# Altium PCB pcb地图1.00.pcbdoc (part 1 of 2) (continued)
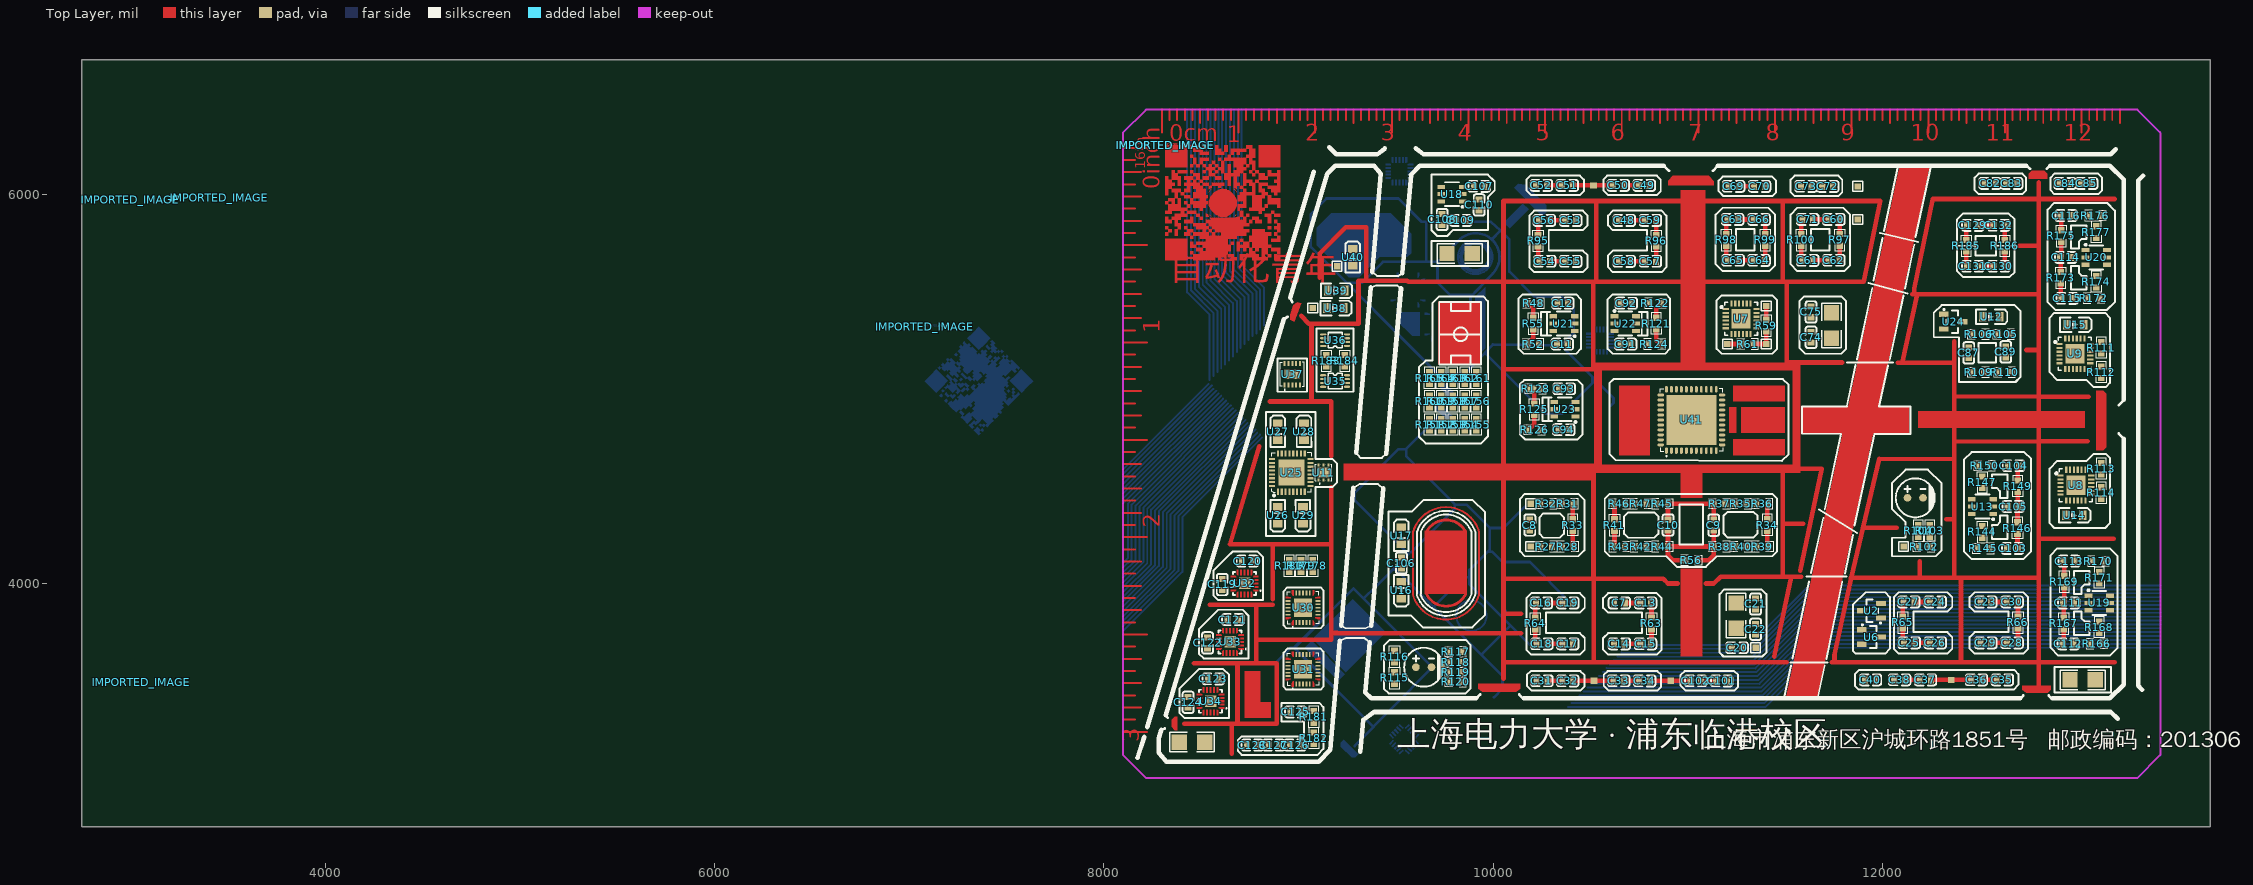
[diagram p0: Top Layer view]
## Footprints (in the part's own frame and the unit in brackets; to place one, negate y for a bottom-side part, rotate by r counter-clockwise, add the part's x,y. Pads: shape width x height; smd on the part's side, far side on the other; paste and mask are expansions set on the pad) (continued)
  Top Layer region: 168.28,344.87 164.12,340.71 159.97,336.56 164.12,332.4 168.28,328.25 164.64,324.61 161.01,320.98 152.7,329.29 144.39,337.6 131.46,324.67 118.54,311.75 113.8,315.84 109.07,319.94 104.85,316.37 100.63,312.79 109.53,303.9 118.42,295.01 122.05,298.64 125.69,302.28 129.84,298.12 134,293.97 130.36,290.34 126.73,286.7 130.85,282.57 134.97,278.45 122.54,265.44 110.11,252.42 113.68,248.2 117.25,243.98 130.3,257.03 143.35,270.08 139.71,273.71 136.08,277.35 144.39,285.66 152.7,293.97 156.33,290.34 159.97,286.7 164.12,290.85 168.28,295.01 164.64,298.64 161.01,302.28 173.47,314.74 185.94,327.21 194.25,318.9 202.56,310.59 206.71,314.74 210.87,318.9 214.5,315.26 218.14,311.63 210.35,303.84 202.56,296.05 194.25,304.36 185.94,312.67 177.11,303.84 168.28,295.01 172.95,290.34 177.63,285.66 181.78,289.81 185.94,293.97 190.09,289.81 194.25,285.66 198.4,289.81 202.56,293.97 206.71,289.82 210.87,285.66 219.7,294.49 228.53,303.32 224.37,307.47 220.22,311.63 224.37,315.78 228.53,319.94 223.85,324.61 219.18,329.29 215.07,325.18 210.96,321.06 202.6,328.81 194.25,336.56 189.51,332.46 184.78,328.37 176.53,336.62 hole: 72276462.08,-50110272.01 72318012.08,-50068722.01 72318012.08,-50068722.01 72354372.08,-50105082.01 72354372.08,-50105082.01 72390732.08,-50141432.01 72390732.08,-50141432.01 72349182.08,-50182982.01 72349182.08,-50182982.01 72307632.08,-50224532.01 72307632.08,-50224532.01 72271272.08,-50188182.01 72271272.08,-50188182.01 72234912.08,-50151822.01 72234912.08,-50151822.01 72276462.08,-50110272.01
  Top Layer region: 527.17,307.99 497.57,337.6 467.44,307.47 437.32,277.35 466.92,247.74 496.53,218.14 526.65,248.26 556.78,278.39 hole: 75766702.08,-49985622.01 75974462.08,-50193372.01 75974462.08,-50193372.01 76182202.08,-50401122.01 76182202.08,-50401122.01 75974462.08,-50608872.01 75974462.08,-50608872.01 75766702.08,-50816622.01 75766702.08,-50816622.01 75558952.08,-50608882.01 75558952.08,-50608882.01 75351202.08,-50401122.01 75351202.08,-50401122.01 75558952.08,-50193372.01 75558952.08,-50193372.01 75766702.08,-49985622.01
  Top Layer region: 431.09,337.6 426.41,332.92 421.74,328.25 425.89,324.09 430.05,319.94 434.72,324.61 439.4,329.29 435.24,333.44
  Top Layer region: 59.21,337.6 29.6,307.99 0,278.39 30.12,248.26 60.25,218.14 89.85,247.74 119.46,277.35 89.33,307.47 hole: 71383132.08,-49985622.01 71590882.08,-50193372.01 71590882.08,-50193372.01 71798642.08,-50401122.01 71798642.08,-50401122.01 71590882.08,-50608882.01 71590882.08,-50608882.01 71383132.08,-50816622.01 71383132.08,-50816622.01 71175382.08,-50608872.01 71175382.08,-50608872.01 70967632.08,-50401122.01 70967632.08,-50401122.01 71175382.08,-50193372.01 71175382.08,-50193372.01 71383132.08,-49985622.01
  Top Layer region: 93.49,336.56 89.33,332.4 85.18,328.25 89.33,324.09 93.49,319.94 97.64,324.09 101.8,328.25 97.64,332.4
  Top Layer region: 496.53,303.32 484.06,290.85 471.6,278.39 484.58,265.4 497.57,252.42 510.03,264.88 522.5,277.35 509.51,290.34
  Top Layer region: 72.71,290.85 60.25,303.32 47.26,290.34 34.28,277.35 46.74,264.88 59.21,252.42 72.19,265.4 85.18,278.39
  Top Layer region: 159.97,286.7 151.66,278.39 143.35,270.08 148.02,265.4 152.7,260.73 161.01,269.04 169.32,277.35 164.64,282.02
  Top Layer region: 184.9,278.39 180.74,274.23 176.59,270.08 181.26,265.4 185.94,260.73 190.09,264.88 194.25,269.04 189.57,273.71
  Top Layer region: 253.46,209.83 249.3,205.67 245.15,201.52 249.3,197.37 253.46,193.21 257.61,197.37 261.77,201.52 257.61,205.67
  Top Layer region: 425.89,155.81 421.74,159.97 417.58,155.81 413.43,151.66 417.58,147.51 421.74,143.35 425.89,147.51 430.05,151.66
  Top Layer region: 161.01,151.66 156.27,147.56 151.54,143.47 156.33,138.68 161.13,133.88 165.22,138.62 169.32,143.35 165.16,147.51
  Top Layer region: 362.53,136.08 358.37,131.92 354.22,127.77 350.58,131.4 346.95,135.04 342.27,130.36 337.6,125.69 341.23,122.05 344.87,118.42 340.71,114.26 336.56,110.11 332.92,113.74 329.29,117.38 320.98,109.07 312.67,100.76 316.82,96.6 320.98,92.45 329.29,100.76 337.6,109.07 341.17,105.49 344.75,101.92 340.65,97.18 336.56,92.45 340.65,87.72 344.75,82.98 341.17,79.41 337.6,75.83 341.75,71.67 345.91,67.52 354.22,75.83 362.53,84.14 358.37,88.3 354.22,92.45 363.05,101.28 371.88,110.11 367.72,114.26 363.57,118.42 367.2,122.05 370.84,125.69 374.99,121.54 379.15,117.38 383.3,121.54 387.46,125.69 382.78,130.36 378.11,135.04 374.47,131.4 370.84,127.77 366.68,131.92 hole: 74291662.08,-51959272.01 74333212.08,-51917722.01 74333212.08,-51917722.01 74369562.08,-51954072.01 74369562.08,-51954072.01 74405922.08,-51990432.01 74405922.08,-51990432.01 74364372.08,-52031982.01 74364372.08,-52031982.01 74322822.08,-52073532.01 74322822.08,-52073532.01 74286472.08,-52037172.01 74286472.08,-52037172.01 74250112.08,-52000822.01 74250112.08,-52000822.01 74291662.08,-51959272.01
  Top Layer region: 396.81,135.04 392.13,130.36 387.46,125.69 391.61,121.54 395.77,117.38 400.44,122.05 405.12,126.73 400.96,130.88
  Top Layer region: 278.39,118.42 248.78,88.81 219.18,59.21 248.78,29.6 278.39,0 307.99,29.6 337.6,59.21 307.99,88.81 hole: 73574922.08,-52177402.01 73782672.08,-52385162.01 73782672.08,-52385162.01 73990422.08,-52592902.01 73990422.08,-52592902.01 73782672.08,-52800662.01 73782672.08,-52800662.01 73574922.08,-53008412.01 73574922.08,-53008412.01 73367172.08,-52800662.01 73367172.08,-52800662.01 73159412.08,-52592902.01 73159412.08,-52592902.01 73367162.08,-52385162.01 73367162.08,-52385162.01 73574922.08,-52177402.01
  Top Layer region: 290.85,71.67 278.39,84.14 265.92,71.67 253.46,59.21 265.92,46.16 278.39,33.11 290.85,46.16 303.32,59.21
IMPORTED_IMAGE#3 [mil]
  Top Layer region: 913 vertices and 11 holes, not listed, extent 0,-590.55 526.71,-47.88
  Top Layer region: 590.55,-582.57 590.55,-590.55 574.59,-590.55 558.63,-590.55 558.63,-574.59 558.63,-558.63 566.61,-558.63 574.59,-558.63 574.59,-566.61 574.59,-574.59 582.57,-574.59 590.55,-574.59
  Top Layer region: 111.73,-534.69 111.73,-590.55 55.86,-590.55 0,-590.55 0,-534.69 0,-478.82 55.86,-478.82 111.73,-478.82 hole: 83310985.92,57149499.74 83310985.92,56750479.74 83310985.92,56750479.74 83710005.92,56750479.74 83710005.92,56750479.74 84109025.92,56750479.74 84109025.92,56750479.74 84109025.92,57149499.74 84109025.92,57149499.74 84109025.92,57548519.74 84109025.92,57548519.74 83710005.92,57548519.74 83710005.92,57548519.74 83310985.92,57548519.74 83310985.92,57548519.74 83310985.92,57149499.74
  Top Layer region: 383.06,-590.55 383.06,-574.59 383.06,-558.63 407,-558.63 430.94,-558.63 430.94,-542.67 430.94,-526.71 422.96,-526.71 414.98,-526.71 414.98,-534.69 414.98,-542.67 407,-542.67 399.02,-542.67 399.02,-534.69 399.02,-526.71 391.04,-526.71 383.06,-526.71 383.06,-534.69 383.06,-542.67 375.08,-542.67 367.1,-542.67 367.1,-518.73 367.1,-494.79 375.08,-494.79 383.06,-494.79 383.06,-502.77 383.06,-510.75 391.04,-510.75 399.02,-510.75 399.02,-502.77 399.02,-494.79 391.04,-494.79 383.06,-494.79 383.06,-486.81 383.06,-478.82 391.04,-478.82 399.02,-478.82 399.02,-486.81 399.02,-494.79 414.98,-494.79 430.94,-494.79 430.94,-510.75 430.94,-526.71 438.92,-526.71 446.9,-526.71 446.9,-534.69 446.9,-542.67 454.88,-542.67 462.86,-542.67 462.86,-550.65 462.86,-558.63 470.84,-558.63 478.83,-558.63 478.83,-566.61 478.83,-574.59 486.81,-574.59 494.79,-574.59 494.79,-550.65 494.79,-526.71 486.81,-526.71 478.83,-526.71 478.83,-534.69 478.83,-542.67 470.84,-542.67 462.86,-542.67 462.86,-534.69 462.86,-526.71 454.88,-526.71 446.9,-526.71 446.9,-510.75 446.9,-494.79 438.92,-494.79 430.94,-494.79 430.94,-478.82 430.94,-462.86 438.92,-462.86 446.9,-462.86 446.9,-446.9 446.9,-430.94 478.83,-430.94 510.75,-430.94 510.75,-438.92 510.75,-446.9 526.71,-446.9 542.67,-446.9 542.67,-454.88 542.67,-462.86 534.69,-462.86 526.71,-462.86 526.71,-486.81 526.71,-510.75 534.69,-510.75 542.67,-510.75 542.67,-518.73 542.67,-526.71 534.69,-526.71 526.71,-526.71 526.71,-542.67 526.71,-558.63 518.73,-558.63 510.75,-558.63 510.75,-566.61 510.75,-574.59 518.73,-574.59 526.71,-574.59 526.71,-582.57 526.71,-590.55 486.81,-590.55 446.9,-590.55 446.9,-582.57 446.9,-574.59 422.96,-574.59 399.02,-574.59 399.02,-582.57 399.02,-590.55 391.04,-590.55 hole: 88258835.92,57388919.74 88258835.92,57628329.74 88258835.92,57628329.74 88258835.92,57867739.74 88258835.92,57867739.74 88019425.92,57867739.74 88019425.92,57867739.74 87780015.92,57867739.74 87780015.92,57867739.74 87780015.92,57628329.74 87780015.92,57628329.74 87780015.92,57388919.74 87780015.92,57388919.74 88019425.92,57388919.74 88019425.92,57388919.74 88258835.92,57388919.74
  Top Layer region: 335.18,-590.55 335.18,-582.57 335.18,-574.59 327.2,-574.59 319.22,-574.59 319.22,-566.61 319.22,-558.63 335.18,-558.63 351.14,-558.63 351.14,-566.61 351.14,-574.59 359.12,-574.59 367.1,-574.59 367.1,-582.57 367.1,-590.55 351.14,-590.55
  Top Layer region: 542.67,-566.61 542.67,-574.59 534.69,-574.59 526.71,-574.59 526.71,-566.61 526.71,-558.63 534.69,-558.63 542.67,-558.63
  Top Layer region: 590.55,-542.67 590.55,-558.63 582.57,-558.63 574.59,-558.63 574.59,-550.65 574.59,-542.67 558.63,-542.67 542.67,-542.67 542.67,-534.69 542.67,-526.71 566.61,-526.71 590.55,-526.71
  Top Layer region: 79.8,-534.69 79.8,-558.63 55.86,-558.63 31.92,-558.63 31.92,-534.69 31.92,-510.75 55.86,-510.75 79.8,-510.75
  Top Layer region: 351.14,-502.77 351.14,-510.75 343.16,-510.75 335.18,-510.75 335.18,-502.77 335.18,-494.79 343.16,-494.79 351.14,-494.79
  Top Layer region: 542.67,-494.79 542.67,-486.81 542.67,-478.82 558.63,-478.82 574.59,-478.82 574.59,-470.84 574.59,-462.86 566.61,-462.86 558.63,-462.86 558.63,-454.88 558.63,-446.9 566.61,-446.9 574.59,-446.9 574.59,-454.88 574.59,-462.86 582.57,-462.86 590.55,-462.86 590.55,-478.82 590.55,-494.79 566.61,-494.79
  Top Layer region: 478.83,-494.79 478.83,-486.81 478.83,-478.82 486.81,-478.82 494.79,-478.82 494.79,-486.81 494.79,-494.79 486.81,-494.79
  Top Layer region: 15.96,-454.88 15.96,-462.86 7.98,-462.86 0,-462.86 0,-454.88 0,-446.9 7.98,-446.9 15.96,-446.9
  Top Layer region: 31.92,-438.92 31.92,-446.9 23.94,-446.9 15.96,-446.9 15.96,-438.92 15.96,-430.94 7.98,-430.94 0,-430.94 0,-422.96 0,-414.98 7.98,-414.98 15.96,-414.98 15.96,-422.96 15.96,-430.94 23.94,-430.94 31.92,-430.94
  Top Layer region: 574.59,-446.9 574.59,-438.92 574.59,-430.94 566.61,-430.94 558.63,-430.94 558.63,-422.96 558.63,-414.98 566.61,-414.98 574.59,-414.98 574.59,-407 574.59,-399.02 566.61,-399.02 558.63,-399.02 558.63,-391.04 558.63,-383.06 566.61,-383.06 574.59,-383.06 574.59,-391.04 574.59,-399.02 582.57,-399.02 590.55,-399.02 590.55,-422.96 590.55,-446.9 582.57,-446.9
  Top Layer region: 542.67,-422.96 542.67,-430.94 534.69,-430.94 526.71,-430.94 526.71,-422.96 526.71,-414.98 534.69,-414.98 542.67,-414.98
  Top Layer region: 526.71,-399.02 526.71,-383.06 526.71,-367.1 518.73,-367.1 510.75,-367.1 510.75,-359.12 510.75,-351.14 526.71,-351.14 542.67,-351.14 542.67,-375.08 542.67,-399.02 534.69,-399.02
  Top Layer region: 446.9,-391.04 446.9,-399.02 438.92,-399.02 430.94,-399.02 430.94,-391.04 430.94,-383.06 438.92,-383.06 446.9,-383.06
  Top Layer region: 494.79,-391.04 494.79,-399.02 478.83,-399.02 462.86,-399.02 462.86,-391.04 462.86,-383.06 454.88,-383.06 446.9,-383.06 446.9,-375.08 446.9,-367.1 462.86,-367.1 478.83,-367.1 478.83,-375.08 478.83,-383.06 486.81,-383.06 494.79,-383.06
  Top Layer region: 191.53,-375.08 191.53,-383.06 183.55,-383.06 175.57,-383.06 175.57,-375.08 175.57,-367.1 167.59,-367.1 159.61,-367.1 159.61,-359.12 159.61,-351.14 135.67,-351.14 111.73,-351.14 111.73,-343.16 111.73,-335.18 135.67,-335.18 159.61,-335.18 159.61,-343.16 159.61,-351.14 167.59,-351.14 175.57,-351.14 175.57,-359.12 175.57,-367.1 183.55,-367.1 191.53,-367.1
  Top Layer region: 558.63,-367.1 558.63,-359.12 558.63,-351.14 550.65,-351.14 542.67,-351.14 542.67,-343.16 542.67,-335.18 550.65,-335.18 558.63,-335.18 558.63,-343.16 558.63,-351.14 574.59,-351.14 590.55,-351.14 590.55,-359.12 590.55,-367.1 574.59,-367.1
  Top Layer region: 222.35,-363.77 223.9,-367.1 215.69,-367.1 207.49,-367.1 207.49,-359.12 207.49,-351.14 212.5,-351.14 216.52,-352.51 219.15,-355.79 220.77,-360.06
  Top Layer region: 430.94,-359.12 430.94,-367.1 422.96,-367.1 414.98,-367.1 414.98,-359.12 414.98,-351.14 422.96,-351.14 430.94,-351.14
  Top Layer region: 69 vertices and 7 holes, not listed, extent 223.45,-366.85 367.1,-223.72
  Top Layer region: 361.74,-360.44 356.13,-364.44 355.85,-363.01 358.45,-359.56 362.05,-356.36 364.15,-355.51
  Top Layer region: 234.19,-362.05 235.04,-364.15 230.11,-361.74 226.11,-356.13 227.54,-355.85 230.99,-358.45
  Top Layer region: 510.75,-319.22 510.75,-311.24 510.75,-303.26 518.73,-303.26 526.71,-303.26 526.71,-311.24 526.71,-319.22 518.73,-319.22
  Top Layer region: 590.55,-295.27 590.55,-319.22 582.57,-319.22 574.59,-319.22 574.59,-311.24 574.59,-303.26 550.65,-303.26 526.71,-303.26 526.71,-279.31 526.71,-255.37 534.69,-255.37 542.67,-255.37 542.67,-263.35 542.67,-271.33 566.61,-271.33 590.55,-271.33
  Top Layer region: 287.3,-312.57 287.3,-316.56 275.32,-316.56 263.35,-316.56 263.35,-312.57 263.35,-308.58 275.32,-308.58 287.3,-308.58
  Top Layer region: 260.46,-293.87 260.91,-316.56 254.27,-316.56 247.63,-316.56 245.88,-307.23 244.99,-298.3 245.3,-289.94 245.44,-284.31 244.11,-281.98 242.93,-281.19 243.4,-279.31 243.19,-277.44 240.37,-276.65 235.69,-276.65 238.88,-279.85 241.87,-286.74 236.75,-289.95 232.99,-289.13 231.43,-287.14 232.14,-285.59 233.84,-285.81 235.13,-285.26 234.83,-281.84 233.4,-276.37 238.95,-271.19 246.07,-266.16 245.03,-269.65 242.01,-273.29 246.03,-276.63 250.05,-279.97 250.05,-275.85 252.14,-270.26 257.41,-263.17 264.4,-256.27 271.65,-251.22 277.05,-247.46 279.27,-244 279.23,-240.74 276.98,-244.29 274.74,-247.84 272.94,-243.17 272.63,-239.22 274.57,-236.34 280.19,-234.33 281.98,-238.08 282.6,-240.9 284.09,-242.07 285.77,-244.81 286.84,-251.38 287.46,-260.69 278.48,-260.69 270.63,-262.1 264.76,-265.94 260.01,-271.18
  Top Layer region: 275.32,-305.92 266.87,-305.13 263.35,-303.26 266.87,-301.38 275.32,-300.6 283.78,-301.38 287.3,-303.26 283.78,-305.13
  Top Layer region: 287.3,-293.94 287.3,-297.94 275.32,-297.94 263.35,-297.94 263.35,-293.94 263.35,-289.95 275.32,-289.95 287.3,-289.95
  Top Layer region: 249.83,-266.85 246.93,-263.95 245.35,-260.68 245.63,-256.88 249.6,-252.89 255.08,-256.35 258.1,-259.99 253.96,-263.42
  Top Layer region: 263.25,-254.21 261.06,-255.37 257.02,-250.87 258.71,-243.59 264.87,-241.36 269.77,-246.41 270.14,-248.75 268.92,-248.88 266.81,-249.02 265.05,-251.4
  Top Layer region: 574.59,-247.39 574.59,-255.37 566.61,-255.37 558.63,-255.37 558.63,-247.39 558.63,-239.41 550.65,-239.41 542.67,-239.41 542.67,-231.43 542.67,-223.45 534.69,-223.45 526.71,-223.45 526.71,-215.47 526.71,-207.49 550.65,-207.49 574.59,-207.49 574.59,-199.51 574.59,-191.53 566.61,-191.53 558.63,-191.53 558.63,-183.55 558.63,-175.57 566.61,-175.57 574.59,-175.57 574.59,-167.59 574.59,-159.61 550.65,-159.61 526.71,-159.61 526.71,-167.59 526.71,-175.57 502.77,-175.57 478.83,-175.57 478.83,-159.61 478.83,-143.65 470.84,-143.65 462.86,-143.65 462.86,-151.63 462.86,-159.61 454.88,-159.61 446.9,-159.61 446.9,-151.63 446.9,-143.65 438.92,-143.65 430.94,-143.65 430.94,-135.67 430.94,-127.69 438.92,-127.69 446.9,-127.69 446.9,-135.67 446.9,-143.65 454.88,-143.65 462.86,-143.65 462.86,-135.67 462.86,-127.69 454.88,-127.69 446.9,-127.69 446.9,-111.73 446.9,-95.77 438.92,-95.77 430.94,-95.77 430.94,-103.75 430.94,-111.73 422.96,-111.73 414.98,-111.73 414.98,-103.75 414.98,-95.77 422.96,-95.77 430.94,-95.77 430.94,-79.8 430.94,-63.84 422.96,-63.84 414.98,-63.84 414.98,-55.86 414.98,-47.88 422.96,-47.88 430.94,-47.88 430.94,-31.92 430.94,-15.96 422.96,-15.96 414.98,-15.96 414.98,-23.94 414.98,-31.92 399.02,-31.92 383.06,-31.92 383.06,-39.9 383.06,-47.88 375.08,-47.88 367.1,-47.88 367.1,-39.9 367.1,-31.92 359.12,-31.92 351.14,-31.92 351.14,-39.9 351.14,-47.88 343.16,-47.88 335.18,-47.88 335.18,-31.92 335.18,-15.96 375.08,-15.96 414.98,-15.96 414.98,-7.98 414.98,0 430.94,0 446.9,0 446.9,-7.98 446.9,-15.96 454.88,-15.96 462.86,-15.96 462.86,-39.9 462.86,-63.84 454.88,-63.84 446.9,-63.84 446.9,-71.82 446.9,-79.8 454.88,-79.8 462.86,-79.8 462.86,-103.75 462.86,-127.69 470.84,-127.69 478.83,-127.69 478.83,-135.67 478.83,-143.65 494.79,-143.65 510.75,-143.65 510.75,-151.63 510.75,-159.61 518.73,-159.61 526.71,-159.61 526.71,-143.65 526.71,-127.69 534.69,-127.69 542.67,-127.69 542.67,-135.67 542.67,-143.65 558.63,-143.65 574.59,-143.65 574.59,-135.67 574.59,-127.69 582.57,-127.69 590.55,-127.69 590.55,-183.55 590.55,-239.41 582.57,-239.41 574.59,-239.41
  Top Layer region: 227.08,-235.87 223.16,-240.74 226,-234.87 229.36,-229.93 233.46,-226.31 239.3,-223.74 235.87,-227.31 231.28,-231.35
  Top Layer region: 364.52,-234.82 367.39,-240.74 363.47,-235.87 359.27,-231.28 354.68,-227.08 349.81,-223.16 355.73,-226.03 360.76,-229.79
  Top Layer region: 226.78,-222.35 223.45,-223.89 223.45,-215.69 223.45,-207.49 207.49,-207.49 191.53,-207.49 191.53,-199.51 191.53,-191.53 207.49,-191.53 223.45,-191.53 223.45,-199.51 223.45,-207.49 231.43,-207.49 239.41,-207.49 239.41,-212.5 238.05,-216.52 234.76,-219.15 230.49,-220.77
  Top Layer region: 287.3,-212.81 287.3,-218.13 279.32,-218.13 271.33,-218.13 271.33,-212.81 271.33,-207.49 255.37,-207.49 239.41,-207.49 239.41,-199.51 239.41,-191.53 271.33,-191.53 303.26,-191.53 303.26,-199.51 303.26,-207.49 295.27,-207.49 287.3,-207.49
  Top Layer region: 79.8,-183.55 79.8,-207.49 71.82,-207.49 63.84,-207.49 63.84,-191.53 63.84,-175.57 47.88,-175.57 31.92,-175.57 31.92,-151.63 31.92,-127.69 39.9,-127.69 47.88,-127.69 47.88,-135.67 47.88,-143.65 55.86,-143.65 63.84,-143.65 63.84,-151.63 63.84,-159.61 71.82,-159.61 79.8,-159.61
  Top Layer region: 287.3,-167.59 287.3,-175.57 271.33,-175.57 255.37,-175.57 255.37,-167.59 255.37,-159.61 271.33,-159.61 287.3,-159.61
  Top Layer region: 111.73,-135.67 111.73,-143.65 87.78,-143.65 63.84,-143.65 63.84,-135.67 63.84,-127.69 87.78,-127.69 111.73,-127.69
  Top Layer region: 0,-111.73 0,-55.86 0,0 55.86,0 111.73,0 111.73,-55.86 111.73,-111.73 55.86,-111.73 hole: 83310985.92,61937749.74 83310985.92,61538729.74 83310985.92,61538729.74 83710005.92,61538729.74 83710005.92,61538729.74 84109025.92,61538729.74 84109025.92,61538729.74 84109025.92,61937749.74 84109025.92,61937749.74 84109025.92,62336769.74 84109025.92,62336769.74 83710005.92,62336769.74 83710005.92,62336769.74 83310985.92,62336769.74 83310985.92,62336769.74 83310985.92,61937749.74
  Top Layer region: 590.55,-55.86 590.55,-111.73 534.69,-111.73 478.83,-111.73 478.83,-55.86 478.83,0 534.69,0 590.55,0 hole: 88099235.92,61937749.74 88099235.92,61538729.74 88099235.92,61538729.74 88498255.92,61538729.74 88498255.92,61538729.74 88897275.92,61538729.74 88897275.92,61538729.74 88897275.92,61937749.74 88897275.92,61937749.74 88897275.92,62336769.74 88897275.92,62336769.74 88498255.92,62336769.74 88498255.92,62336769.74 88099235.92,62336769.74 88099235.92,62336769.74 88099235.92,61937749.74
  Top Layer region: 558.63,-55.86 558.63,-79.8 534.69,-79.8 510.75,-79.8 510.75,-55.86 510.75,-31.92 534.69,-31.92 558.63,-31.92
  Top Layer region: 79.8,-55.86 79.8,-79.8 55.86,-79.8 31.92,-79.8 31.92,-55.86 31.92,-31.92 55.86,-31.92 79.8,-31.92
  Top Layer region: 175.57,-47.88 175.57,-39.9 175.57,-31.92 159.61,-31.92 143.65,-31.92 143.65,-23.94 143.65,-15.96 135.67,-15.96 127.69,-15.96 127.69,-7.98 127.69,0 151.63,0 175.57,0 175.57,-7.98 175.57,-15.96 183.55,-15.96 191.53,-15.96 191.53,-23.94 191.53,-31.92 207.49,-31.92 223.45,-31.92 223.45,-39.9 223.45,-47.88 199.51,-47.88
  Top Layer region: 255.37,-47.88 255.37,-23.94 255.37,0 263.35,0 271.33,0 271.33,-7.98 271.33,-15.96 279.32,-15.96 287.3,-15.96 287.3,-23.94 287.3,-31.92 295.27,-31.92 303.26,-31.92 303.26,-39.9 303.26,-47.88 279.32,-47.88
  Top Layer region: 319.22,-15.96 319.22,-31.92 311.24,-31.92 303.26,-31.92 303.26,-15.96 303.26,0 311.24,0 319.22,0
  Top Layer region: 207.49,-7.98 207.49,-15.96 199.51,-15.96 191.53,-15.96 191.53,-7.98 191.53,0 199.51,0 207.49,0
LED0805-RD_RED [mm]
  rect 1x1.25 smd paste+0 mask+0.051: 1(-1.1,0) 2(1.1,0)
  silkscreen extent -2.1,-0.95 1.98,0.96
OSC-SMD_4P-L5.0-W3.2-BL-1 [mm]
  rect 1.8x1.3 smd paste+0 mask+0.051: 1(-1.27,-1.1) 2(1.27,-1.1) 3(1.27,1.1) 4(-1.27,1.1)
  silkscreen extent -2.65,-2.61 2.68,1.73
QFN-24_L4.0-W4.0-P0.50-TL-EP2.5 [mm]
  rect 0.8x0.28 smd paste-100 mask+0.051: 1(-2,1.25) 2(-2,0.75) 3(-2,0.25) 4(-2,-0.25) 5(-2,-0.75) 6(-2,-1.25) 13(2,-1.25) 14(2,-0.75) 15(2,-0.25) 16(2,0.25) 17(2,0.75) 18(2,1.25)
  rect 0.28x0.8 smd paste-100 mask+0.051: 7(-1.25,-2) 8(-0.75,-2) 9(-0.25,-2) 10(0.25,-2) 11(0.75,-2) 12(1.25,-2) 19(1.25,2) 20(0.75,2) 21(0.25,2) 22(-0.25,2) 23(-0.75,2) 24(-1.25,2)
  rect 2.5x2.5 smd paste-100 mask+0.051: 25(0,-0.012)
  silkscreen extent -2.8,-2.16 2.15,2.14
QFN-28_L4.0-W4.0-P0.45-BL-EP [mm]
  rect 0.22x0.665 smd paste-100 mask+0.051: 2(-0.9,-1.933) 3(-0.45,-1.933) 4(0,-1.933) 5(0.45,-1.933) 6(0.9,-1.933) 16(0.9,1.933) 17(0.45,1.933) 18(0,1.933) 19(-0.45,1.933) 20(-0.9,1.933)
  rect 0.665x0.22 smd paste-100 mask+0.051: 9(1.933,-0.9) 10(1.933,-0.45) 11(1.933,0) 12(1.933,0.45) 13(1.933,0.9) 23(-1.933,0.9) 24(-1.933,0.45) 25(-1.933,0) 26(-1.933,-0.45) 27(-1.933,-0.9)
  rect 2.4x2.4 smd paste-100 mask+0.051: 29(0,0)
  Top Layer region: 1.601,-1.24 2.266,-1.24 2.266,-1.46 1.933,-1.46 1.601,-1.35
  Top Layer region: 1.24,-1.601 1.24,-2.266 1.46,-2.266 1.46,-1.933 1.35,-1.601
  Top Layer region: 1.601,1.24 2.266,1.24 2.266,1.46 1.933,1.46 1.601,1.35
  Top Layer region: 1.24,1.601 1.24,2.266 1.46,2.266 1.46,1.933 1.35,1.601
  Top Layer region: -1.24,1.601 -1.24,2.266 -1.46,2.266 -1.46,1.933 -1.35,1.601
  Top Layer region: -1.6,1.24 -2.265,1.24 -2.265,1.46 -1.933,1.46 -1.6,1.35
  Top Layer region: -1.6,-1.24 -2.266,-1.24 -2.266,-1.46 -1.933,-1.46 -1.6,-1.35
  Top Layer region: -1.24,-1.6 -1.24,-2.265 -1.46,-2.265 -1.46,-1.933 -1.35,-1.6
  silkscreen extent -2.08,-2.61 2.08,2.08
QFN-32_L5.0-W5.0-P0.50-BL-EP3.4 [mm]
  rect 0.28x0.8 smd paste+0 mask+0.051: 1(-1.75,-2.5) 2(-1.251,-2.5) 3(-0.751,-2.5) 4(-0.251,-2.5) 5(0.249,-2.5) 6(0.749,-2.5) 7(1.249,-2.5) 8(1.749,-2.5) 17(1.752,2.5) 18(1.251,2.5) 19(0.752,2.5) 20(0.251,2.5) 21(-0.248,2.5) 22(-0.749,2.5) 23(-1.248,2.5) 24(-1.749,2.5)
  rect 0.8x0.28 smd paste+0 mask+0.051: 9(2.5,-1.748) 10(2.5,-1.248) 11(2.5,-0.748) 12(2.5,-0.248) 13(2.5,0.252) 14(2.5,0.752) 15(2.5,1.252) 16(2.5,1.752) 25(-2.5,1.75) 26(-2.5,1.25) 27(-2.5,0.75) 28(-2.5,0.25) 29(-2.5,-0.25) 30(-2.5,-0.75) 31(-2.5,-1.25) 32(-2.5,-1.75)
  rect 3.4x3.4 smd paste+0 mask+0.051: 33(0,0)
  silkscreen extent -2.6,-3.12 2.6,2.6
QFN-32_L5.0-W5.0-P0.50-TL-EP2.2 [mm]
  oval 0.79x0.28 smd paste+0 mask+0.051: 1(-2.407,1.75) 2(-2.407,1.25) 3(-2.407,0.75) 4(-2.407,0.25) 5(-2.407,-0.25) 6(-2.407,-0.75) 7(-2.407,-1.25) 8(-2.407,-1.75) 17(2.407,-1.75) 18(2.407,-1.25) 19(2.407,-0.75) 20(2.407,-0.25) 21(2.407,0.25) 22(2.407,0.75) 23(2.407,1.25) 24(2.407,1.75)
  oval 0.28x0.79 smd paste+0 mask+0.051: 9(-1.75,-2.407) 10(-1.25,-2.407) 11(-0.75,-2.407) 12(-0.25,-2.407) 13(0.25,-2.407) 14(0.75,-2.407) 15(1.25,-2.407) 16(1.75,-2.407) 25(1.75,2.407) 26(1.25,2.407) 27(0.75,2.407) 28(0.25,2.407) 29(-0.25,2.407) 30(-0.75,2.407) 31(-1.25,2.407) 32(-1.75,2.407)
  rect 2.15x2.15 smd paste+0 mask+0.051: 33(0,0)
  silkscreen extent -3.15,-2.58 2.58,2.58
QFN-44_L8.0-W8.0-P0.65-BL-EP [mm]
  oval 0.364x0.847 smd paste+0 mask+0.051: 1(-3.25,-3.998) 2(-2.6,-3.998) 3(-1.95,-3.998) 4(-1.3,-3.998) 5(-0.65,-3.998) 6(0,-3.998) 7(0.65,-3.998) 8(1.3,-3.998) 9(1.95,-3.998) 10(2.6,-3.998) 11(3.25,-3.998) 23(3.25,3.998) 24(2.6,3.998) 25(1.95,3.998) 26(1.3,3.998) 27(0.65,3.998) 28(0,3.998) 29(-0.65,3.998) 30(-1.3,3.998) 31(-1.95,3.998) 32(-2.6,3.998) 33(-3.25,3.998)
  oval 0.847x0.364 smd paste+0 mask+0.051: 12(3.998,-3.25) 13(3.998,-2.6) 14(3.998,-1.95) 15(3.998,-1.3) 16(3.998,-0.65) 17(3.998,0) 18(3.998,0.65) 19(3.998,1.3) 20(3.998,1.95) 21(3.998,2.6) 22(3.998,3.25) 34(-3.998,3.25) 35(-3.998,2.6) 36(-3.998,1.95) 37(-3.998,1.3) 38(-3.998,0.65) 39(-3.998,0) 40(-3.998,-0.65) 41(-3.998,-1.3) 42(-3.998,-1.95) 43(-3.998,-2.6) 44(-3.998,-3.25)
  rect 6.55x6.55 smd paste+0 mask+0.051: 45(0,0)
  silkscreen extent -4.08,-4.8 4.08,4.08
R0603 [mil]
  rect 31.75x34.02 smd paste-3937.01 mask+2: 1(-29.66,0) 2(29.66,0)
  silkscreen extent -55,-26 55,26
SOT-23-3_L2.9-W1.5-P1.90-LS2.6-BR [mm]
  rect 1.25x0.7 smd paste+0 mask+0.051: 1(1.25,-0.95) 2(1.25,0.95) 3(-1.25,0)
  silkscreen extent -0.65,-1.69 1.29,1.46
SOT-23-6_L2.9-W1.6-P0.95-LS2.8-BR [mm]
  rect 1x0.55 smd paste+0 mask+0.051: 1(1.4,-0.95) 2(1.4,0) 3(1.4,0.95) 4(-1.4,0.95) 5(-1.4,0) 6(-1.4,-0.95)
  silkscreen extent -0.9,-1.78 1.52,1.55
VQFN-20_L3.0-W3.0-P0.45-TL-EP [mm]
  rect 1.5x1.5 smd paste+0 mask+0.05: 21(0,0)
  Top Layer region: 0.55,-1.7 0.55,-1.8 0.35,-1.8 0.35,-1.1 0.55,-1.1
  Top Layer region: -0.8,-1.1 -0.8,-1.8 -1,-1.8 -1,-1.25 -1,-1.2 -0.9,-1.1
  Top Layer region: -1.1,0.8 -1.8,0.8 -1.8,1 -1.25,1 -1.2,1 -1.1,0.9
  Top Layer region: 1.1,0.8 1.8,0.8 1.8,1 1.25,1 1.2,1 1.1,0.9
  Top Layer region: 0.8,1.1 0.8,1.8 1,1.8 1,1.25 1,1.2 0.9,1.1
  Top Layer region: 0.8,-1.1 0.8,-1.8 1,-1.8 1,-1.25 1,-1.2 0.9,-1.1
  Top Layer region: 1.1,-0.8 1.8,-0.8 1.8,-1 1.25,-1 1.2,-1 1.1,-0.9
  Top Layer region: 0.1,1.2 0.1,1.1 -0.1,1.1 -0.1,1.8 0.1,1.8
  Top Layer region: 0.55,1.2 0.55,1.1 0.35,1.1 0.35,1.8 0.55,1.8
  Top Layer region: 1.2,0.35 1.1,0.35 1.1,0.55 1.8,0.55 1.8,0.35
  Top Layer region: 1.2,-0.1 1.1,-0.1 1.1,0.1 1.8,0.1 1.8,-0.1
  Top Layer region: 1.2,-0.55 1.1,-0.55 1.1,-0.35 1.8,-0.35 1.8,-0.55
  Top Layer region: -1.2,0.35 -1.1,0.35 -1.1,0.55 -1.8,0.55 -1.8,0.35
  Top Layer region: -1.2,-0.1 -1.1,-0.1 -1.1,0.1 -1.8,0.1 -1.8,-0.1
  Top Layer region: -1.2,-0.55 -1.1,-0.55 -1.1,-0.35 -1.8,-0.35 -1.8,-0.55
  Top Layer region: -1.1,-0.8 -1.8,-0.8 -1.8,-1 -1.25,-1 -1.2,-1 -1.1,-0.9
  Top Layer region: -0.55,-1.7 -0.55,-1.8 -0.35,-1.8 -0.35,-1.1 -0.55,-1.1
  Top Layer region: -0.1,-1.7 -0.1,-1.8 0.1,-1.8 0.1,-1.1 -0.1,-1.1
  Top Layer region: -0.55,1.2 -0.55,1.1 -0.35,1.1 -0.35,1.8 -0.55,1.8
  Top Layer region: -0.8,1.1 -0.8,1.8 -1,1.8 -1,1.25 -1,1.2 -0.9,1.1
  silkscreen extent -2.15,-1.5 1.5,1.5
VSSOP-8_L2.1-W2.4-P0.50-LS3.2-BL [mm]
  oval 0.28x0.8 smd paste+0 mask+0.051: 1(-0.75,-1.55) 2(-0.25,-1.55) 3(0.25,-1.55) 4(0.75,-1.55) 5(0.75,1.55) 6(0.25,1.55) 7(-0.25,1.55) 8(-0.75,1.55)
  silkscreen extent -1.02,-0.9 1,0.9
VSSOP-8_L2.3-W2.0-P0.50-LS3.1-BL [mm]
  oval 0.28x0.905 smd paste+0 mask+0.051: 1(-0.75,-1.402) 2(-0.25,-1.403) 3(0.25,-1.403) 4(0.75,-1.402) 5(0.75,1.403) 6(0.25,1.403) 7(-0.25,1.403) 8(-0.75,1.403)
  silkscreen extent -1.37,-1.24 1.08,0.72

## Free pads (board coordinates)
  rect 78.74x78.74 smd paste-3937.01 mask+2: 1(8388.01,3185) 1(8518.01,3185) 1(9763.01,5695) 1(9893.01,5695) 1(11248.01,3770) 1(11248.01,3900) 1(11738.01,5260) 1(11738.01,5390) 1(12963.01,3505) 1(13093.01,3505)
  rect 31.75x34.02 smd paste-3937.01 mask+2: 1(10205.79,5000)
  rect 31.75x34.02 smd far side rot 135 paste-3937.01 mask+2: 2(8967.04,3580.97) 2(9222.04,3325.97)
  rect 34.02x31.75 smd paste-3937.01 mask+2: 2(9073.01,5415) 2(9198.01,5630) 2(10193.01,4190) 2(10193.01,4410) 2(10515.45,6045) 2(10517.89,3500) 2(10912.89,3500) 2(11202.67,5230) 2(11348.01,3670) 2(11403.01,5230) 2(11403.01,5425.34) 2(11873.01,5870) 2(11873.01,6040) 2(12108.01,4190) 2(12353.01,3505)
  round 39.37 smd paste+0 mask+2: 3(9603.01,3570) 3(9683.01,3570) 3(12128.01,4440) 3(12208.01,4440)